# KiCad board hack_pad.kicad_pcb (continued)
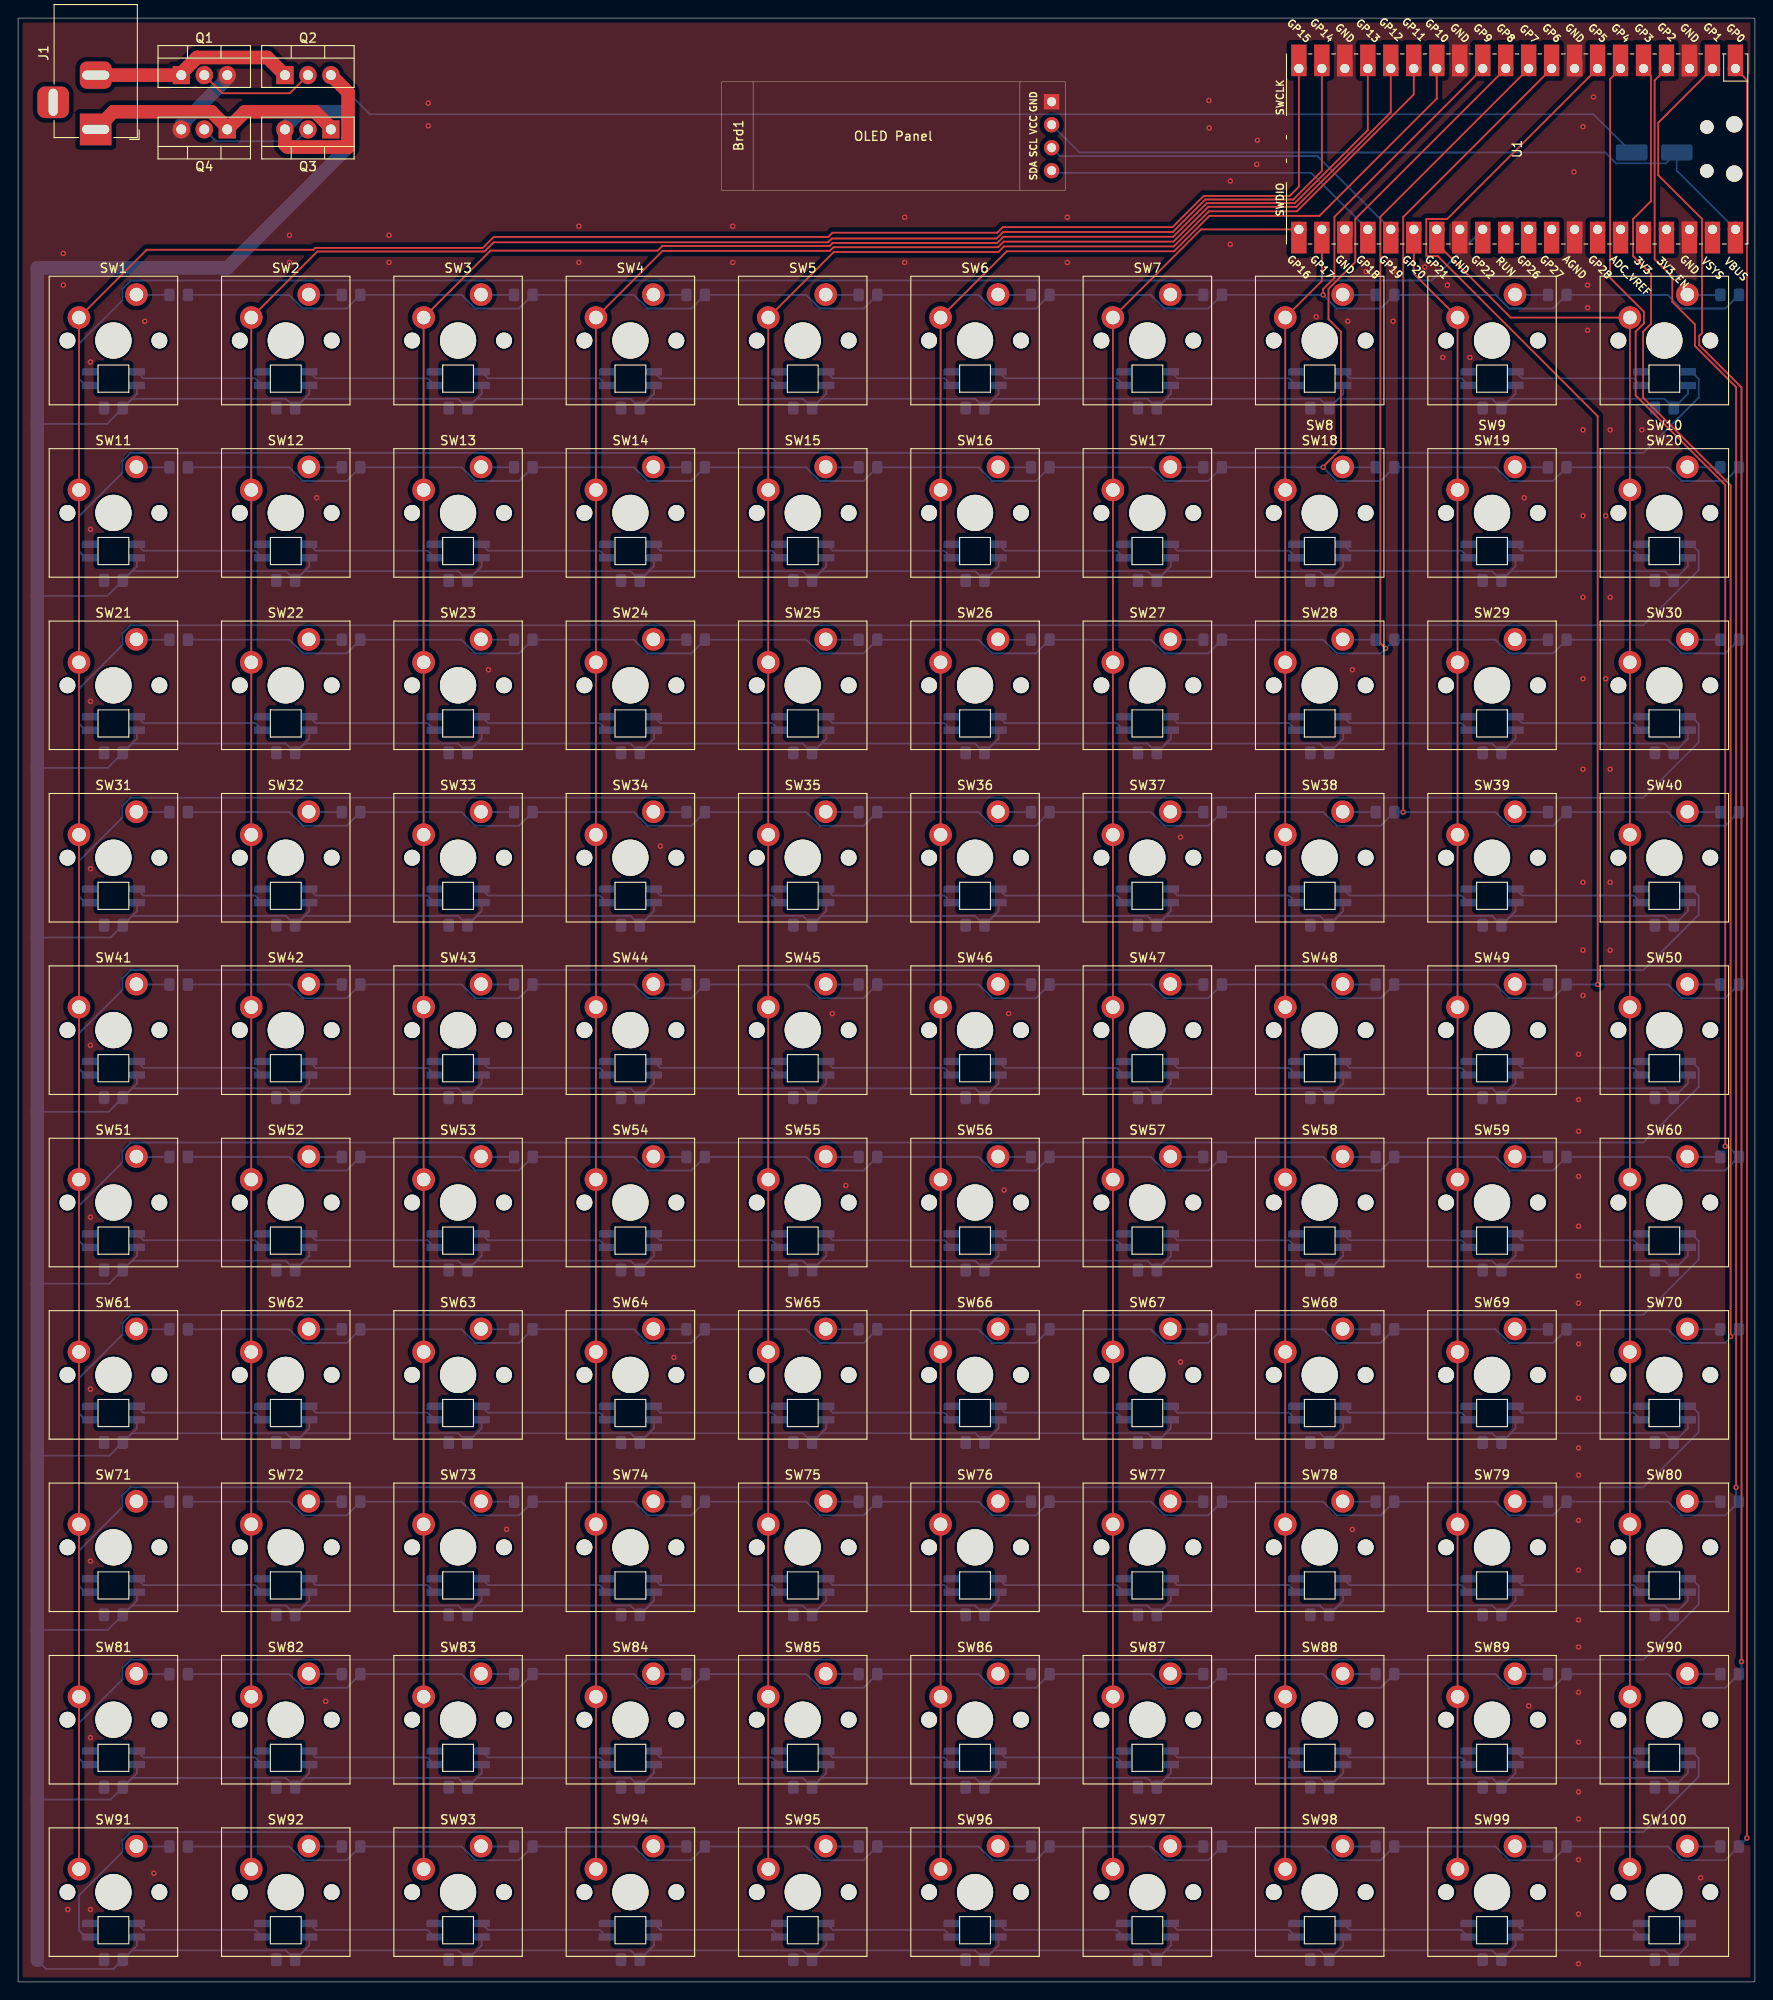
[diagram p0: board, top side]
## Routing (per net, layer and track width the routed paths; a pad name or vN(x,y) marks a point on that pad's centre or on a via; arc(x,y) is an arc through that point) (continued)
COL_6: length 239.6
  Top w0.2: SW96.1 SW86.1 SW76.1 SW66.1 SW56.1 SW46.1 SW26.1 SW16.1 SW6.1 109.3,191.23 127.78,191.23 131.7,195.15 143.87,195.15 156.83,208.11 U1.14
COL_7: length 196
  Top w0.2: U1.21 130.77,193.65 SW7.1 SW17.1 SW27.1 SW47.1 SW57.1 SW67.1 SW77.1 SW87.1 SW97.1
COL_8: length 182.9
  Top w0.2: SW98.1 SW88.1 SW78.1 SW68.1 SW58.1 SW48.1 SW28.1 SW18.1 SW8.1 144.13,187.96 144.13,193.65
COL_9: length 183.2
  Top w0.2: U1.26 154.29,188.75 SW9.1 SW19.1 SW29.1 SW49.1 SW59.1 SW69.1 SW79.1 SW89.1 SW99.1
COL_10: length 197.8
  Top w0.2: U1.27 156.83,192.09 165,183.91 SW10.1 SW20.1 SW30.1 SW50.1 SW60.1 SW70.1 SW80.1 SW90.1 SW100.1
Earth: length 8.1
  Bottom w1.5: Q4.3 18.04,205.24 23.12,210.32 Q1.3
  vias: v1(5,191) v1(5,187.5) v1(5.5,8) v1(8,179) v1(8,160.5) v1(8,141.5) v1(8,123) v1(8,103.5) v1(8,84.5) v1(8,65.5) v1(8,46.5) v1(8,27) v1(8,8) v1(14,183.5) v1(15,12) v1(30,193) v1(30,190) v1(33,164) v1(34,31) v1(41,193) v1(41,190) v1(45.34,207.6) v1(45.34,205.1) v1(52,145) v1(54,50) v1(62,194) v1(62,190) v1(71,125.5) v1(72.5,69) v1(79,194) v1(79,190) v1(90,107) v1(91.5,88) v1(98,195) v1(98,190) v1(109,87.5) v1(109.5,107) v1(116,195) v1(116,190) v1(128.5,126.5) v1(128.5,68.5) v1(131.63,207.89) v1(131.68,204.86) v1(134,199) v1(134,192) v1(137,203.5) v1(136.93,200.83) v1(143.5,184) v1(147,183.5) v1(147.5,145) v1(147.5,50) v1(149,189) v1(152,189) v1(152,183.5) v1(155.5,189.5) v1(157.5,179.5) v1(158,187.5) v1(160.5,179.5) v1(166.5,164) v1(167,30.5) v1(172,200) v1(172.5,102.5) v1(172.5,97.5) v1(172.5,94) v1(172.5,89) v1(172.5,83.5) v1(172.5,78) v1(172.5,75) v1(172.5,70.5) v1(172.5,64.5) v1(172.5,59) v1(172.5,56) v1(172.5,51) v1(172.5,45.5) v1(172.5,40) v1(172.5,37) v1(172.5,32) v1(172.5,26.5) v1(172.5,21) v1(172.5,18) v1(172.5,13.5) v1(172.5,7.5) v1(172.5,2) v1(173,205) v1(173,171.5) v1(173,162) v1(173,153) v1(173,144) v1(173,134) v1(173,121.5) v1(173,114) v1(173,109) v1(173.5,187.5) v1(173.5,185) v1(173.5,182.5) v1(174.16,208.29) v1(175.5,162) v1(175.5,144) v1(176,171.5) v1(176,153) v1(176,134) v1(176,121.5) v1(176,114) v1(179.5,171.5) v1(186,11.5)
LED: length 166.5
  Bottom w0.2: U1.29 156.26,188 12.44,188 11.53,187.09 11.53,185.81 6.74,181.02 6.74,177.12 7.45,176.41 D101.3
ROW_1: length 215
  Top w0.2: U1.12 145.52,195.04 145.52,188.3 144.26,187.05 v1(144.26,186.41)
  Bottom w0.2: D10.1 188.72,184.9 183.89,184.9 182.38,186.41 D9.1 169.67,184.9 164.84,184.9 163.33,186.41 D8.1 150.62,184.9 145.79,184.9 144.28,186.41 D7.1 131.57,184.9 126.74,184.9 125.23,186.41 D6.1 112.52,184.9 107.69,184.9 106.18,186.41 D5.1 93.47,184.9 88.64,184.9 87.13,186.41 D4.1 74.42,184.9 69.59,184.9 68.08,186.41 D3.1 55.37,184.9 50.54,184.9 49.03,186.41 D2.1 36.32,184.9 31.49,184.9 29.98,186.41 D1.1
ROW_2: length 236.3
  Top w0.2: U1.11 147.82,194.8 147.82,190.03 144.86,187.08 144.86,183.72 146.24,182.34 146.24,169.41 144.28,167.44 v1(144.28,167.36)
  Bottom w0.2: D11.1 29.98,167.36 31.49,165.85 36.32,165.85 D12.1 49.03,167.36 50.54,165.85 55.37,165.85 D13.1 68.08,167.36 69.59,165.85 74.42,165.85 D14.1 87.13,167.36 88.64,165.85 93.47,165.85 D15.1 106.18,167.36 107.69,165.85 112.52,165.85 D16.1 125.23,167.36 126.74,165.85 131.57,165.85 D17.1 v1(144.28,167.36) 145.79,165.85 150.62,165.85 D18.1 163.33,167.36 164.84,165.85 169.67,165.85 D19.1 182.38,167.36 183.89,165.85 188.72,165.85 D20.1
ROW_3: length 253.8
  Top w0.2: U1.10 150.6,195.04 150.6,147.92 v1(151.17,147.35)
  Bottom w0.2: D30.1 188.72,146.8 183.89,146.8 182.38,148.31 D29.1 169.67,146.8 164.84,146.8 163.33,148.31 D28.1 v1(151.17,147.35) 150.62,146.8 145.79,146.8 144.28,148.31 D27.1 131.57,146.8 126.74,146.8 125.23,148.31 D26.1 112.52,146.8 107.69,146.8 106.18,148.31 D25.1 93.47,146.8 88.64,146.8 87.13,148.31 D24.1 74.42,146.8 69.59,146.8 68.08,148.31 D23.1 55.37,146.8 50.54,146.8 49.03,148.31 D22.1 36.32,146.8 31.49,146.8 29.98,148.31 D21.1
ROW_4: length 271.7
  Top w0.2: v1(153.12,129.26) 153.12,195.02 U1.9
  Bottom w0.2: D40.1 188.72,127.75 183.89,127.75 182.38,129.26 D39.1 169.67,127.75 164.84,127.75 163.33,129.26 v1(153.12,129.26) D38.1 150.62,127.75 145.79,127.75 144.28,129.26 D37.1 131.57,127.75 126.74,127.75 125.23,129.26 D36.1 112.52,127.75 107.69,127.75 106.18,129.26 D35.1 93.47,127.75 88.64,127.75 87.13,129.26 D34.1 74.42,127.75 69.59,127.75 68.08,129.26 D33.1 55.37,127.75 50.54,127.75 49.03,129.26 D32.1 36.32,127.75 31.49,127.75 29.98,129.26 D31.1
ROW_5: length 301.7
  Top w0.2: v1(174.62,110.21) 174.62,173.02 156.94,190.7 155.68,190.7 155.68,194.8 157.98,194.8 U1.7
  Bottom w0.2: D50.1 188.72,108.7 183.89,108.7 182.38,110.21 v1(174.62,110.21) D49.1 169.67,108.7 164.84,108.7 163.33,110.21 D48.1 150.62,108.7 145.79,108.7 144.28,110.21 D47.1 131.57,108.7 126.74,108.7 125.23,110.21 D46.1 112.52,108.7 107.69,108.7 106.18,110.21 D45.1 93.47,108.7 88.64,108.7 87.13,110.21 D44.1 74.42,108.7 69.59,108.7 68.08,110.21 D43.1 55.37,108.7 50.54,108.7 49.03,110.21 D42.1 36.32,108.7 31.49,108.7 29.98,110.21 D41.1
ROW_6: length 310.3
  Top w0.2: v1(188.72,92.33) 188.72,165.41 178.82,175.3 178.82,182.36 179.73,183.27 179.73,184.55 176,188.29 176,210.28 U1.6
  Bottom w0.2: v1(188.72,92.33) 189.06,92.33 D60.1 188.72,89.65 183.89,89.65 182.38,91.16 D59.1 169.67,89.65 164.84,89.65 163.33,91.16 D58.1 150.62,89.65 145.79,89.65 144.28,91.16 D57.1 131.57,89.65 126.74,89.65 125.23,91.16 D56.1 112.52,89.65 107.69,89.65 106.18,91.16 D55.1 93.47,89.65 88.64,89.65 87.13,91.16 D54.1 74.42,89.65 69.59,89.65 68.08,91.16 D53.1 55.37,89.65 50.54,89.65 49.03,91.16 D52.1 36.32,89.65 31.49,89.65 29.98,91.16 D51.1
ROW_7: length 329.2
  Top w0.2: v1(189.32,71.33) 189.32,165.37 179.64,175.05 179.64,182.34 180.51,183.22 180.51,188.72 178.54,190.7 178.54,194.8 180.51,196.78 180.51,210.6 179.69,211.43
  Bottom w0.2: D70.1 188.72,70.6 183.89,70.6 182.38,72.11 D69.1 169.67,70.6 164.84,70.6 163.33,72.11 D68.1 150.62,70.6 145.79,70.6 144.28,72.11 D67.1 131.57,70.6 126.74,70.6 125.23,72.11 D66.1 112.52,70.6 107.69,70.6 106.18,72.11 D65.1 93.47,70.6 88.64,70.6 87.13,72.11 D64.1 74.42,70.6 69.59,70.6 68.08,72.11 D63.1 55.37,70.6 50.54,70.6 49.03,72.11 D62.1 36.32,70.6 31.49,70.6 29.98,72.11 D61.1
ROW_8: length 345.5
  Top w0.2: v1(189.92,54.65) 189.92,176.22 185.37,180.77 185.37,183.15 182.87,185.65 182.87,188.4 180.92,190.35 180.92,210.12 U1.4
  Bottom w0.2: v1(189.92,54.65) 189.92,53.37 D80.1 188.72,51.55 183.89,51.55 182.38,53.06 D79.1 169.67,51.55 164.84,51.55 163.33,53.06 D78.1 150.62,51.55 145.79,51.55 144.28,53.06 D77.1 131.57,51.55 126.74,51.55 125.23,53.06 D76.1 112.52,51.55 107.69,51.55 106.18,53.06 D75.1 93.47,51.55 88.64,51.55 87.13,53.06 D74.1 74.42,51.55 69.59,51.55 68.08,53.06 D73.1 55.37,51.55 50.54,51.55 49.03,53.06 D72.1 36.32,51.55 31.49,51.55 29.98,53.06 D71.1
ROW_9: length 366.8
  Top w0.2: v1(190.52,35.4) 190.52,176.19 185.84,180.86 185.84,181.88 186.16,182.19 186.16,194.8 181.32,199.64 181.32,205.44 U1.2
  Bottom w0.2: v1(190.52,35.4) 190.52,34.3 D90.1 188.72,32.5 183.89,32.5 182.38,34.01 D89.1 169.67,32.5 164.84,32.5 163.33,34.01 D88.1 150.62,32.5 145.79,32.5 144.28,34.01 D87.1 131.57,32.5 126.74,32.5 125.23,34.01 D86.1 112.52,32.5 107.69,32.5 106.18,34.01 D85.1 93.47,32.5 88.64,32.5 87.13,34.01 D84.1 74.42,32.5 69.59,32.5 68.08,34.01 D83.1 55.37,32.5 50.54,32.5 49.03,34.01 D82.1 36.32,32.5 31.49,32.5 29.98,34.01 D81.1
ROW_10: length 380.1
  Top w0.2: U1.1 191.12,210.16 v1(191.12,15.9)
  Bottom w0.2: D91.1 29.98,14.96 31.49,13.45 36.32,13.45 D92.1 49.03,14.96 50.54,13.45 55.37,13.45 D93.1 68.08,14.96 69.59,13.45 74.42,13.45 D94.1 87.13,14.96 88.64,13.45 93.47,13.45 D95.1 106.18,14.96 107.69,13.45 112.52,13.45 D96.1 125.23,14.96 126.74,13.45 131.57,13.45 D97.1 144.28,14.96 145.79,13.45 150.62,13.45 D98.1 163.33,14.96 164.84,13.45 169.67,13.45 D99.1 182.38,14.96 183.89,13.45 188.72,13.45 D100.1 191.12,15.85 v1(191.12,15.9)
SCL1: length 41.2
  Bottom w0.2: Brd1.3 115.18,201.75 143.65,201.75 U1.25
SDA1: length 37.6
  Bottom w0.2: Brd1.4 114.49,199.9 142.96,199.9 U1.24
Net-(Brd1-VCC): length 82.6
  Bottom w0.2: U1.40 183.37,200.13 D205.1 182.17,200.95 176.63,200.95 175.43,202.15 117.32,202.15 Brd1.2
Net-(D1-A): length 3.7
  Bottom w0.2: SW1.2 13.12,186.41 D1.2
Net-(D2-A): length 3.7
  Bottom w0.2: D2.2 32.17,186.41 SW2.2
Net-(D3-A): length 3.7
  Bottom w0.2: D3.2 51.22,186.41 SW3.2
Net-(D4-A): length 3.7
  Bottom w0.2: D4.2 70.27,186.41 SW4.2
Net-(D5-A): length 3.7
  Bottom w0.2: SW5.2 89.32,186.41 D5.2
Net-(D6-A): length 3.7
  Bottom w0.2: SW6.2 108.37,186.41 D6.2
Net-(D7-A): length 3.7
  Bottom w0.2: SW7.2 127.42,186.41 D7.2
Net-(D8-A): length 3.7
  Bottom w0.2: SW8.2 146.47,186.41 D8.2
Net-(D9-A): length 3.7
  Bottom w0.2: SW9.2 165.52,186.41 D9.2
Net-(D10-A): length 3.7
  Bottom w0.2: D10.2 184.57,186.41 SW10.2
Net-(D11-A): length 3.7
  Bottom w0.2: SW11.2 13.12,167.36 D11.2
Net-(D12-A): length 3.7
  Bottom w0.2: SW12.2 32.17,167.36 D12.2
Net-(D13-A): length 3.7
  Bottom w0.2: D13.2 51.22,167.36 SW13.2
Net-(D14-A): length 3.7
  Bottom w0.2: SW14.2 70.27,167.36 D14.2
Net-(D15-A): length 3.7
  Bottom w0.2: D15.2 89.32,167.36 SW15.2
Net-(D16-A): length 3.7
  Bottom w0.2: SW16.2 108.37,167.36 D16.2
Net-(D17-A): length 3.7
  Bottom w0.2: SW17.2 127.42,167.36 D17.2
Net-(D18-A): length 3.7
  Bottom w0.2: D18.2 146.47,167.36 SW18.2
Net-(D19-A): length 3.7
  Bottom w0.2: SW19.2 165.52,167.36 D19.2
Net-(D20-A): length 3.7
  Bottom w0.2: SW20.2 184.57,167.36 D20.2
Net-(D21-A): length 3.7
  Bottom w0.2: SW21.2 13.12,148.31 D21.2
Net-(D22-A): length 3.7
  Bottom w0.2: SW22.2 32.17,148.31 D22.2
Net-(D23-A): length 3.7
  Bottom w0.2: SW23.2 51.22,148.31 D23.2
Net-(D24-A): length 3.7
  Bottom w0.2: D24.2 70.27,148.31 SW24.2
Net-(D25-A): length 3.7
  Bottom w0.2: D25.2 89.32,148.31 SW25.2
Net-(D26-A): length 3.7
  Bottom w0.2: D26.2 108.37,148.31 SW26.2
Net-(D27-A): length 3.7
  Bottom w0.2: SW27.2 127.42,148.31 D27.2
Net-(D28-A): length 3.7
  Bottom w0.2: SW28.2 146.47,148.31 D28.2
Net-(D29-A): length 3.7
  Bottom w0.2: D29.2 165.52,148.31 SW29.2
Net-(D30-A): length 3.7
  Bottom w0.2: SW30.2 184.57,148.31 D30.2
Net-(D31-A): length 3.7
  Bottom w0.2: D31.2 13.12,129.26 SW31.2
Net-(D32-A): length 3.7
  Bottom w0.2: D32.2 32.17,129.26 SW32.2
Net-(D33-A): length 3.7
  Bottom w0.2: SW33.2 51.22,129.26 D33.2
Net-(D34-A): length 3.7
  Bottom w0.2: SW34.2 70.27,129.26 D34.2
Net-(D35-A): length 3.7
  Bottom w0.2: SW35.2 89.32,129.26 D35.2
Net-(D36-A): length 3.7
  Bottom w0.2: D36.2 108.37,129.26 SW36.2
Net-(D37-A): length 3.7
  Bottom w0.2: D37.2 127.42,129.26 SW37.2
Net-(D38-A): length 3.7
  Bottom w0.2: D38.2 146.47,129.26 SW38.2
Net-(D39-A): length 3.7
  Bottom w0.2: D39.2 165.52,129.26 SW39.2
Net-(D40-A): length 3.7
  Bottom w0.2: D40.2 184.57,129.26 SW40.2
Net-(D41-A): length 3.7
  Bottom w0.2: 13.08,110.25 13.12,110.21 D41.2
Net-(D42-A): length 3.7
  Bottom w0.2: 32.13,110.25 32.17,110.21 D42.2
Net-(D43-A): length 3.7
  Bottom w0.2: D43.2 51.22,110.21 51.18,110.25
Net-(D44-A): length 3.7
  Bottom w0.2: 70.23,110.25 70.27,110.21 D44.2
Net-(D45-A): length 3.7
  Bottom w0.2: 89.28,110.25 89.32,110.21 D45.2
Net-(D46-A): length 3.7
  Bottom w0.2: 108.33,110.25 108.37,110.21 D46.2
Net-(D47-A): length 3.7
  Bottom w0.2: 127.38,110.25 127.42,110.21 D47.2
Net-(D48-A): length 3.7
  Bottom w0.2: 146.43,110.25 146.47,110.21 D48.2
Net-(D49-A): length 3.7
  Bottom w0.2: D49.2 165.52,110.21 165.48,110.25
Net-(D50-A): length 3.7
  Bottom w0.2: D50.2 184.57,110.21 184.53,110.25
Net-(D51-A): length 3.7
  Bottom w0.2: D51.2 13.12,91.16 SW51.2
Net-(D52-A): length 3.7
  Bottom w0.2: D52.2 32.17,91.16 SW52.2
Net-(D53-A): length 3.7
  Bottom w0.2: D53.2 51.22,91.16 SW53.2
Net-(D54-A): length 3.7
  Bottom w0.2: D54.2 70.27,91.16 SW54.2
Net-(D55-A): length 3.7
  Bottom w0.2: SW55.2 89.32,91.16 D55.2
Net-(D56-A): length 3.7
  Bottom w0.2: SW56.2 108.37,91.16 D56.2
Net-(D57-A): length 3.7
  Bottom w0.2: D57.2 127.42,91.16 SW57.2
Net-(D58-A): length 3.7
  Bottom w0.2: D58.2 146.47,91.16 SW58.2
Net-(D59-A): length 3.7
  Bottom w0.2: SW59.2 165.52,91.16 D59.2
Net-(D60-A): length 3.7
  Bottom w0.2: D60.2 184.57,91.16 SW60.2
Net-(D61-A): length 3.7
  Bottom w0.2: D61.2 13.12,72.11 SW61.2
Net-(D62-A): length 3.7
  Bottom w0.2: D62.2 32.17,72.11 SW62.2
Net-(D63-A): length 3.7
  Bottom w0.2: D63.2 51.22,72.11 SW63.2
Net-(D64-A): length 3.7
  Bottom w0.2: SW64.2 70.27,72.11 D64.2
Net-(D65-A): length 3.7
  Bottom w0.2: SW65.2 89.32,72.11 D65.2
Net-(D66-A): length 3.7
  Bottom w0.2: D66.2 108.37,72.11 SW66.2
Net-(D67-A): length 3.7
  Bottom w0.2: SW67.2 127.42,72.11 D67.2
Net-(D68-A): length 3.7
  Bottom w0.2: D68.2 146.47,72.11 SW68.2
Net-(D69-A): length 3.7
  Bottom w0.2: SW69.2 165.52,72.11 D69.2
Net-(D70-A): length 3.7
  Bottom w0.2: SW70.2 184.57,72.11 D70.2
Net-(D71-A): length 3.7
  Bottom w0.2: D71.2 13.12,53.06 SW71.2
Net-(D72-A): length 3.7
  Bottom w0.2: SW72.2 32.17,53.06 D72.2
Net-(D73-A): length 3.7
  Bottom w0.2: D73.2 51.22,53.06 SW73.2
Net-(D74-A): length 3.7
  Bottom w0.2: SW74.2 70.27,53.06 D74.2
Net-(D75-A): length 3.7
  Bottom w0.2: D75.2 89.32,53.06 SW75.2
Net-(D76-A): length 3.7
  Bottom w0.2: SW76.2 108.37,53.06 D76.2
Net-(D77-A): length 3.7
  Bottom w0.2: SW77.2 127.42,53.06 D77.2
Net-(D78-A): length 3.7
  Bottom w0.2: D78.2 146.47,53.06 SW78.2
Net-(D79-A): length 3.7
  Bottom w0.2: D79.2 165.52,53.06 SW79.2
Net-(D80-A): length 3.7
  Bottom w0.2: SW80.2 184.57,53.06 D80.2
Net-(D81-A): length 3.7
  Bottom w0.2: SW81.2 13.12,34.01 D81.2
Net-(D82-A): length 3.7
  Bottom w0.2: SW82.2 32.17,34.01 D82.2
Net-(D83-A): length 3.7
  Bottom w0.2: SW83.2 51.22,34.01 D83.2
Net-(D84-A): length 3.7
  Bottom w0.2: SW84.2 70.27,34.01 D84.2
Net-(D85-A): length 3.7
  Bottom w0.2: D85.2 89.32,34.01 SW85.2
Net-(D86-A): length 3.7
  Bottom w0.2: SW86.2 108.37,34.01 D86.2
Net-(D87-A): length 3.7
  Bottom w0.2: D87.2 127.42,34.01 SW87.2
Net-(D88-A): length 3.7
  Bottom w0.2: D88.2 146.47,34.01 SW88.2
Net-(D89-A): length 3.7
  Bottom w0.2: D89.2 165.52,34.01 SW89.2
Net-(D90-A): length 3.7
  Bottom w0.2: SW90.2 184.57,34.01 D90.2
Net-(D91-A): length 3.7
  Bottom w0.2: 13.08,15 13.12,14.96 D91.2
Net-(D92-A): length 3.7
  Bottom w0.2: D92.2 32.17,14.96 32.13,15
Net-(D93-A): length 3.7
  Bottom w0.2: D93.2 51.22,14.96 51.18,15
Net-(D94-A): length 3.7
  Bottom w0.2: D94.2 70.27,14.96 70.23,15
Net-(D95-A): length 3.7
  Bottom w0.2: 89.28,15 89.32,14.96 D95.2
Net-(D96-A): length 3.7
  Bottom w0.2: 108.33,15 108.37,14.96 D96.2
Net-(D97-A): length 3.7
  Bottom w0.2: D97.2 127.42,14.96 127.38,15
Net-(D98-A): length 3.7
  Bottom w0.2: D98.2 146.47,14.96 146.43,15
Net-(D99-A): length 3.7
  Bottom w0.2: 165.48,15 165.52,14.96 D99.2
Net-(D100-A): length 3.7
  Bottom w0.2: 184.53,15 184.57,14.96 D100.2
Net-(D101-DOUT): length 14.5
  Bottom w0.2: D102.3 26.2,177.2 13.85,177.2 D101.1
Net-(D102-DOUT): length 14.5
  Bottom w0.2: D103.3 45.25,177.2 32.9,177.2 D102.1
Net-(D103-DOUT): length 14.5
  Bottom w0.2: D103.1 51.95,177.2 64.3,177.2 D104.3
Net-(D104-DOUT): length 14.5
  Bottom w0.2: D105.3 83.35,177.2 71,177.2 D104.1
Net-(D105-DOUT): length 14.5
  Bottom w0.2: D105.1 90.05,177.2 102.4,177.2 D106.3
Net-(D106-DOUT): length 14.5
  Bottom w0.2: D106.1 109.1,177.2 121.45,177.2 D107.3
Net-(D107-DOUT): length 14.5
  Bottom w0.2: D108.3 140.5,177.2 128.15,177.2 D107.1
Net-(D108-DOUT): length 14.5
  Bottom w0.2: D109.3 159.55,177.2 147.2,177.2 D108.1
Net-(D109-DOUT): length 14.5
  Bottom w0.2: D109.1 166.25,177.2 178.6,177.2 D110.3
Net-(D110-DOUT): length 194.2
  Bottom w0.2: D110.1 185,177.91 185.79,177.12 185.79,175.08 179.67,168.95 12.44,168.95 11.53,168.04 11.53,166.76 6.74,161.97 6.74,158.07 7.45,157.36 D111.3
Net-(D111-DOUT): length 14.5
  Bottom w0.2: D112.3 26.2,158.15 13.85,158.15 D111.1
Net-(D112-DOUT): length 14.5
  Bottom w0.2: D112.1 32.9,158.15 45.25,158.15 D113.3
Net-(D113-DOUT): length 14.5
  Bottom w0.2: D113.1 51.95,158.15 64.3,158.15 D114.3
Net-(D114-DOUT): length 14.5
  Bottom w0.2: D115.3 83.35,158.15 71,158.15 D114.1
Net-(D115-DOUT): length 14.5
  Bottom w0.2: D116.3 102.4,158.15 90.05,158.15 D115.1
Net-(D116-DOUT): length 14.5
  Bottom w0.2: D117.3 121.45,158.15 109.1,158.15 D116.1
Net-(D117-DOUT): length 14.5
  Bottom w0.2: D118.3 140.5,158.15 128.15,158.15 D117.1
Net-(D118-DOUT): length 14.5
  Bottom w0.2: D119.3 159.55,158.15 147.2,158.15 D118.1
Net-(D119-DOUT): length 14.5
  Bottom w0.2: D119.1 166.25,158.15 178.6,158.15 D120.3
Net-(D120-DOUT): length 194.2
  Bottom w0.2: D120.1 185,158.86 185.79,158.07 185.79,156.03 179.67,149.9 12.44,149.9 11.53,148.99 11.53,147.71 6.74,142.92 6.74,139.02 7.45,138.31 D121.3
Net-(D121-DOUT): length 14.5
  Bottom w0.2: D121.1 13.85,139.1 26.2,139.1 D122.3
Net-(D122-DOUT): length 14.5
  Bottom w0.2: D122.1 32.9,139.1 45.25,139.1 D123.3
Net-(D123-DOUT): length 14.5
  Bottom w0.2: D123.1 51.95,139.1 64.3,139.1 D124.3
Net-(D124-DOUT): length 14.5
  Bottom w0.2: D124.1 71,139.1 83.35,139.1 D125.3
Net-(D125-DOUT): length 14.5
  Bottom w0.2: D125.1 90.05,139.1 102.4,139.1 D126.3
Net-(D126-DOUT): length 14.5
  Bottom w0.2: D127.3 121.45,139.1 109.1,139.1 D126.1
Net-(D127-DOUT): length 14.5
  Bottom w0.2: D128.3 140.5,139.1 128.15,139.1 D127.1
Net-(D128-DOUT): length 14.5
  Bottom w0.2: D129.3 159.55,139.1 147.2,139.1 D128.1
Net-(D129-DOUT): length 14.5
  Bottom w0.2: D129.1 166.25,139.1 178.6,139.1 D130.3
Net-(D130-DOUT): length 194.2
  Bottom w0.2: D130.1 185,139.81 185.79,139.02 185.79,136.98 179.67,130.85 12.44,130.85 11.53,129.94 11.53,128.66 6.74,123.87 6.74,119.97 7.45,119.26 D131.3
Net-(D131-DOUT): length 14.5
  Bottom w0.2: D132.3 26.2,120.05 13.85,120.05 D131.1
Net-(D132-DOUT): length 14.5
  Bottom w0.2: D132.1 32.9,120.05 45.25,120.05 D133.3
Net-(D133-DOUT): length 14.5
  Bottom w0.2: D133.1 51.95,120.05 64.3,120.05 D134.3
Net-(D134-DOUT): length 14.5
  Bottom w0.2: D135.3 83.35,120.05 71,120.05 D134.1
Net-(D135-DOUT): length 14.5
  Bottom w0.2: D136.3 102.4,120.05 90.05,120.05 D135.1
Net-(D136-DOUT): length 14.5
  Bottom w0.2: D136.1 109.1,120.05 121.45,120.05 D137.3
Net-(D137-DOUT): length 14.5
  Bottom w0.2: D137.1 128.15,120.05 140.5,120.05 D138.3
Net-(D138-DOUT): length 14.5
  Bottom w0.2: D139.3 159.55,120.05 147.2,120.05 D138.1
Net-(D139-DOUT): length 14.5
  Bottom w0.2: D140.3 178.6,120.05 166.25,120.05 D139.1
Net-(D140-DOUT): length 194.2
  Bottom w0.2: D141.3 7.45,100.21 6.74,100.92 6.74,104.82 11.53,109.61 11.53,110.89 12.44,111.8 179.67,111.8 185.79,117.93 185.79,119.97 185,120.76 D140.1
Net-(D141-DOUT): length 14.5
  Bottom w0.2: D142.3 26.2,101 13.85,101 D141.1
Net-(D142-DOUT): length 14.5
  Bottom w0.2: D142.1 32.9,101 45.25,101 D143.3
Net-(D143-DOUT): length 14.5
  Bottom w0.2: D144.3 64.3,101 51.95,101 D143.1
Net-(D144-DOUT): length 14.5
  Bottom w0.2: D144.1 71,101 83.35,101 D145.3
Net-(D145-DOUT): length 14.5
  Bottom w0.2: D145.1 90.05,101 102.4,101 D146.3
Net-(D146-DOUT): length 14.5
  Bottom w0.2: D146.1 109.1,101 121.45,101 D147.3
Net-(D147-DOUT): length 14.5
  Bottom w0.2: D148.3 140.5,101 128.15,101 D147.1
Net-(D148-DOUT): length 14.5
  Bottom w0.2: D148.1 147.2,101 159.55,101 D149.3
Net-(D149-DOUT): length 14.5
  Bottom w0.2: D150.3 178.6,101 166.25,101 D149.1
Net-(D150-DOUT): length 194.2
  Bottom w0.2: D151.3 7.45,81.16 6.74,81.87 6.74,85.77 11.53,90.56 11.53,91.84 12.44,92.75 179.67,92.75 185.79,98.88 185.79,100.92 185,101.71 D150.1
Net-(D151-DOUT): length 14.5
  Bottom w0.2: D151.1 13.85,81.95 26.2,81.95 D152.3
Net-(D152-DOUT): length 14.5
  Bottom w0.2: D152.1 32.9,81.95 45.25,81.95 D153.3
Net-(D153-DOUT): length 14.5
  Bottom w0.2: D153.1 51.95,81.95 64.3,81.95 D154.3
Net-(D154-DOUT): length 14.5
  Bottom w0.2: D154.1 71,81.95 83.35,81.95 D155.3
Net-(D155-DOUT): length 14.5
  Bottom w0.2: D155.1 90.05,81.95 102.4,81.95 D156.3
Net-(D156-DOUT): length 14.5
  Bottom w0.2: D156.1 109.1,81.95 121.45,81.95 D157.3
Net-(D157-DOUT): length 14.5
  Bottom w0.2: D157.1 128.15,81.95 140.5,81.95 D158.3
Net-(D158-DOUT): length 14.5
  Bottom w0.2: D158.1 147.2,81.95 159.55,81.95 D159.3
Net-(D159-DOUT): length 14.5
  Bottom w0.2: D160.3 178.6,81.95 166.25,81.95 D159.1
Net-(D160-DOUT): length 194.2
  Bottom w0.2: D160.1 185,82.66 185.79,81.87 185.79,79.83 179.67,73.7 12.44,73.7 11.53,72.79 11.53,71.51 6.74,66.72 6.74,62.82 7.45,62.11 D161.3
Net-(D161-DOUT): length 14.5
  Bottom w0.2: D162.3 26.2,62.9 13.85,62.9 D161.1
Net-(D162-DOUT): length 14.5
  Bottom w0.2: D163.3 45.25,62.9 32.9,62.9 D162.1
Net-(D163-DOUT): length 14.5
  Bottom w0.2: D164.3 64.3,62.9 51.95,62.9 D163.1
Net-(D164-DOUT): length 14.5
  Bottom w0.2: D164.1 71,62.9 83.35,62.9 D165.3
Net-(D165-DOUT): length 14.5
  Bottom w0.2: D166.3 102.4,62.9 90.05,62.9 D165.1
Net-(D166-DOUT): length 14.5
  Bottom w0.2: D166.1 109.1,62.9 121.45,62.9 D167.3
Net-(D167-DOUT): length 14.5
  Bottom w0.2: D168.3 140.5,62.9 128.15,62.9 D167.1
Net-(D168-DOUT): length 14.5
  Bottom w0.2: D168.1 147.2,62.9 159.55,62.9 D169.3
Net-(D169-DOUT): length 14.5
  Bottom w0.2: D170.3 178.6,62.9 166.25,62.9 D169.1
Net-(D170-DOUT): length 194.2
  Bottom w0.2: D170.1 185,63.61 185.79,62.82 185.79,60.78 179.67,54.65 12.44,54.65 11.53,53.74 11.53,52.46 6.74,47.67 6.74,43.77 7.45,43.06 D171.3
Net-(D171-DOUT): length 14.5
  Bottom w0.2: D172.3 26.2,43.85 13.85,43.85 D171.1
Net-(D172-DOUT): length 14.5
  Bottom w0.2: D172.1 32.9,43.85 45.25,43.85 D173.3
Net-(D173-DOUT): length 14.5
  Bottom w0.2: D173.1 51.95,43.85 64.3,43.85 D174.3
Net-(D174-DOUT): length 14.5
  Bottom w0.2: D174.1 71,43.85 83.35,43.85 D175.3
Net-(D175-DOUT): length 14.5
  Bottom w0.2: D175.1 90.05,43.85 102.4,43.85 D176.3
Net-(D176-DOUT): length 14.5
  Bottom w0.2: D176.1 109.1,43.85 121.45,43.85 D177.3
Net-(D177-DOUT): length 14.5
  Bottom w0.2: D177.1 128.15,43.85 140.5,43.85 D178.3
Net-(D178-DOUT): length 14.5
  Bottom w0.2: D178.1 147.2,43.85 159.55,43.85 D179.3
Net-(D179-DOUT): length 14.5
  Bottom w0.2: D180.3 178.6,43.85 166.25,43.85 D179.1
Net-(D180-DOUT): length 194.2
  Bottom w0.2: D180.1 185,44.56 185.79,43.77 185.79,41.73 179.67,35.6 12.44,35.6 11.53,34.69 11.53,33.41 6.74,28.62 6.74,24.72 7.45,24.01 D181.3
Net-(D181-DOUT): length 14.5
  Bottom w0.2: D182.3 26.2,24.8 13.85,24.8 D181.1
Net-(D182-DOUT): length 14.5
  Bottom w0.2: D183.3 45.25,24.8 32.9,24.8 D182.1
Net-(D183-DOUT): length 14.5
  Bottom w0.2: D184.3 64.3,24.8 51.95,24.8 D183.1
Net-(D184-DOUT): length 14.5
  Bottom w0.2: D185.3 83.35,24.8 71,24.8 D184.1
Net-(D185-DOUT): length 14.5
  Bottom w0.2: D186.3 102.4,24.8 90.05,24.8 D185.1
Net-(D186-DOUT): length 14.5
  Bottom w0.2: D187.3 121.45,24.8 109.1,24.8 D186.1
Net-(D187-DOUT): length 14.5
  Bottom w0.2: D188.3 140.5,24.8 128.15,24.8 D187.1
Net-(D188-DOUT): length 14.5
  Bottom w0.2: D188.1 147.2,24.8 159.55,24.8 D189.3
Net-(D189-DOUT): length 14.5
  Bottom w0.2: D190.3 178.6,24.8 166.25,24.8 D189.1
Net-(D190-DOUT): length 194.2
  Bottom w0.2: D190.1 185,25.51 185.79,24.72 185.79,22.68 179.67,16.55 12.44,16.55 11.53,15.64 11.53,14.36 6.74,9.57 6.74,5.67 7.45,4.96 D191.3
Net-(D191-DOUT): length 14.5
  Bottom w0.2: D191.1 13.85,5.75 26.2,5.75 D192.3
Net-(D192-DOUT): length 14.5
  Bottom w0.2: D192.1 32.9,5.75 45.25,5.75 D193.3
Net-(D193-DOUT): length 14.5
  Bottom w0.2: D194.3 64.3,5.75 51.95,5.75 D193.1
Net-(D194-DOUT): length 14.5
  Bottom w0.2: D195.3 83.35,5.75 71,5.75 D194.1
Net-(D195-DOUT): length 14.5
  Bottom w0.2: D196.3 102.4,5.75 90.05,5.75 D195.1
Net-(D196-DOUT): length 14.5
  Bottom w0.2: D197.3 121.45,5.75 109.1,5.75 D196.1
Net-(D197-DOUT): length 14.5
  Bottom w0.2: D198.3 140.5,5.75 128.15,5.75 D197.1
Net-(D198-DOUT): length 14.5
  Bottom w0.2: D199.3 159.55,5.75 147.2,5.75 D198.1
Net-(D199-DOUT): length 14.5
  Bottom w0.2: D200.3 178.6,5.75 166.25,5.75 D199.1
Net-(Q1-D): length 13.1
  Top w0.2: Q2.2 30.04,208.7 22.58,208.7 Q1.2
Net-(Q3-D): length 12.5
  Bottom w0.2: Q4.2 21.88,203.4 30.74,203.4 Q3.2

## Copper pours and planes (outline as drawn; the poured copper is in the pictures)
Earth on Top, Bottom: 0,217 192,217 192,0 0,0
